# KiCad board module.kicad_pcb (continued)
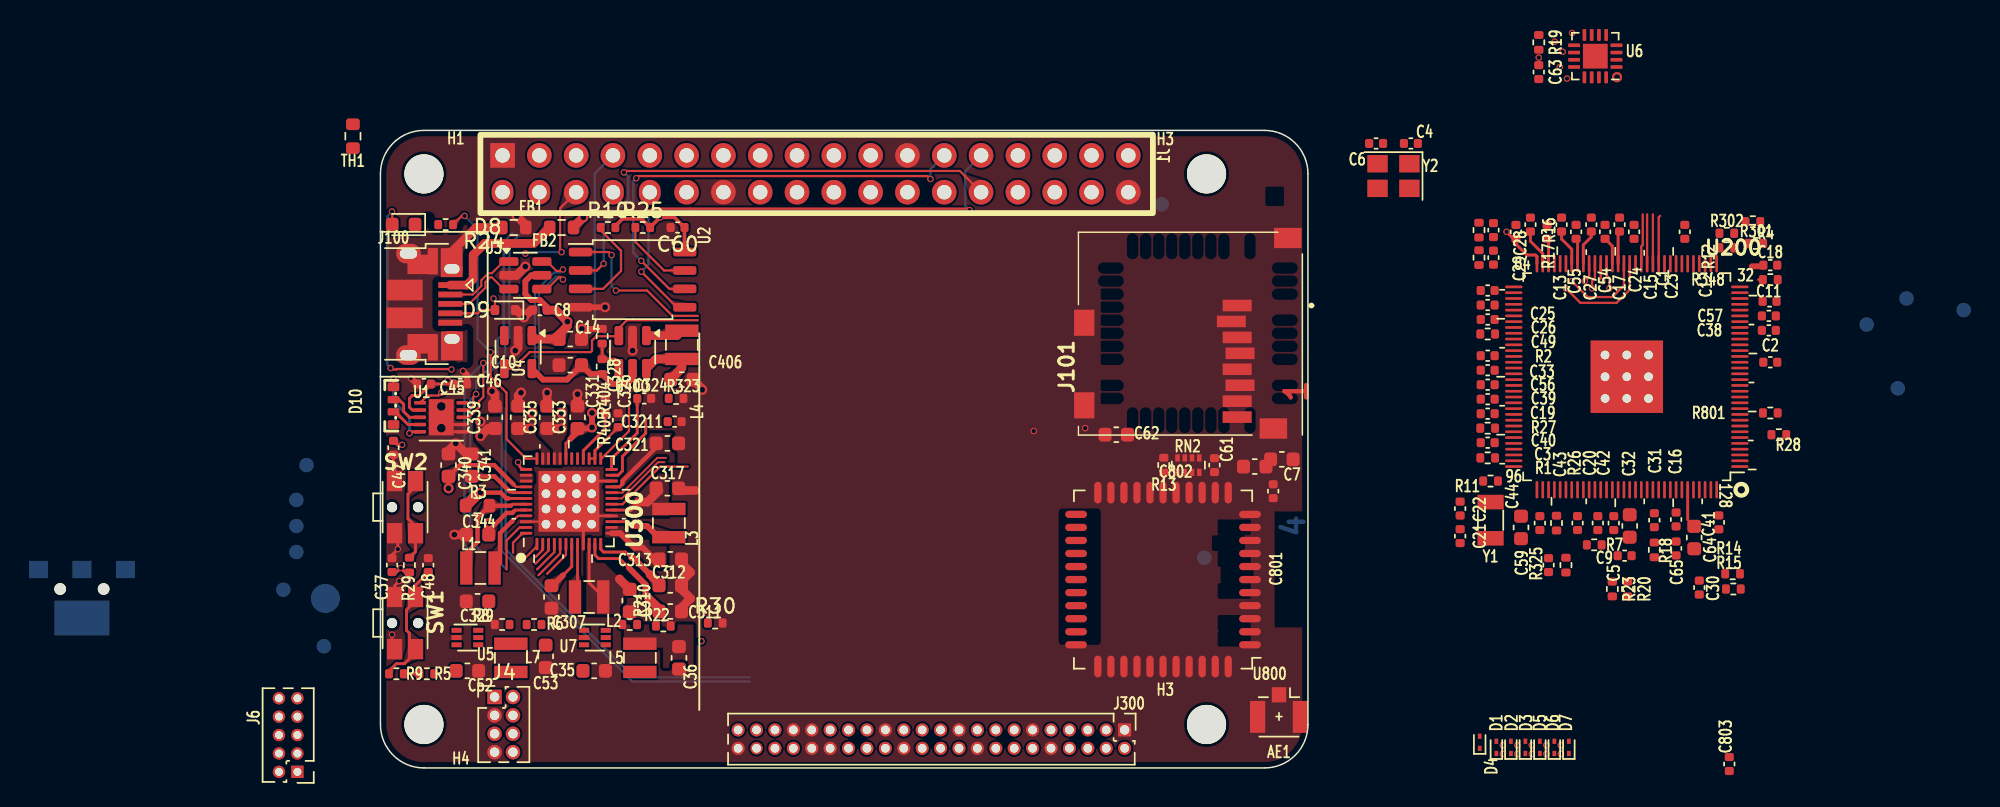
[diagram p0: board, top side]
## Footprints (pads in the part's own frame, mm; a bottom-side part is the same pattern mirrored in y, then rotated) (continued)
  rect 3.65x3.65 smd far side: 49(0,0)
  rect 4.2x4.2 smd: 49(0,0)
QFP-128_14x14_Pitch0.4mm
  oval 1.2x0.18 smd: 1(-7.8,6.2) 2(-7.8,5.8) 3(-7.8,5.4) 4(-7.8,5) 5(-7.8,4.6) 6(-7.8,4.2) 7(-7.8,3.8) 8(-7.8,3.4) 9(-7.8,3) 10(-7.8,2.6) 11(-7.8,2.2) 12(-7.8,1.8) 13(-7.8,1.4) 14(-7.8,1) 15(-7.8,0.6) 16(-7.8,0.2) 17(-7.8,-0.2) 18(-7.8,-0.6) 19(-7.8,-1) 20(-7.8,-1.4) 21(-7.8,-1.8) 22(-7.8,-2.2) 23(-7.8,-2.6) 24(-7.8,-3) 25(-7.8,-3.4) 26(-7.8,-3.8) 27(-7.8,-4.2) 28(-7.8,-4.6) 29(-7.8,-5) 30(-7.8,-5.4) 31(-7.8,-5.8) 32(-7.8,-6.2) 65(7.8,-6.2) 66(7.8,-5.8) 67(7.8,-5.4) 68(7.8,-5) 69(7.8,-4.6) 70(7.8,-4.2) 71(7.8,-3.8) 72(7.8,-3.4) 73(7.8,-3) 74(7.8,-2.6) 75(7.8,-2.2) 76(7.8,-1.8) 77(7.8,-1.4) 78(7.8,-1) 79(7.8,-0.6) 80(7.8,-0.2) 81(7.8,0.2) 82(7.8,0.6) 83(7.8,1) 84(7.8,1.4) 85(7.8,1.8) 86(7.8,2.2) 87(7.8,2.6) 88(7.8,3) 89(7.8,3.4) 90(7.8,3.8) 91(7.8,4.2) 92(7.8,4.6) 93(7.8,5) 94(7.8,5.4) 95(7.8,5.8) 96(7.8,6.2)
  oval 0.18x1.2 smd: 33(-6.2,-7.8) 34(-5.8,-7.8) 35(-5.4,-7.8) 36(-5,-7.8) 37(-4.6,-7.8) 38(-4.2,-7.8) 39(-3.8,-7.8) 40(-3.4,-7.8) 41(-3,-7.8) 42(-2.6,-7.8) 43(-2.2,-7.8) 44(-1.8,-7.8) 45(-1.4,-7.8) 46(-1,-7.8) 47(-0.6,-7.8) 48(-0.2,-7.8) 49(0.2,-7.8) 50(0.6,-7.8) 51(1,-7.8) 52(1.4,-7.8) 53(1.8,-7.8) 54(2.2,-7.8) 55(2.6,-7.8) 56(3,-7.8) 57(3.4,-7.8) 58(3.8,-7.8) 59(4.2,-7.8) 60(4.6,-7.8) 61(5,-7.8) 62(5.4,-7.8) 63(5.8,-7.8) 64(6.2,-7.8) 97(6.2,7.8) 98(5.8,7.8) 99(5.4,7.8) 100(5,7.8) 101(4.6,7.8) 102(4.2,7.8) 103(3.8,7.8) 104(3.4,7.8) 105(3,7.8) 106(2.6,7.8) 107(2.2,7.8) 108(1.8,7.8) 109(1.4,7.8) 110(1,7.8) 111(0.6,7.8) 112(0.2,7.8) 113(-0.2,7.8) 114(-0.6,7.8) 115(-1,7.8) 116(-1.4,7.8) 117(-1.8,7.8) 118(-2.2,7.8) 119(-2.6,7.8) 120(-3,7.8) 121(-3.4,7.8) 122(-3.8,7.8) 123(-4.2,7.8) 124(-4.6,7.8) 125(-5,7.8) 126(-5.4,7.8) 127(-5.8,7.8) 128(-6.2,7.8)
  round 1 hole 0.6: 129(-1.5,1.5) 129(-1.5,0) 129(-1.5,-1.5) 129(0,1.5) 129(0,0) 129(0,-1.5) 129(1.5,1.5) 129(1.5,0) 129(1.5,-1.5)
  rect 5x5 smd: 129(0,0)
R_0402_1005Metric
  rrect 0.54x0.64 smd: 1(-0.51,0) 2(0.51,0)
R_0603_1608Metric
  rrect 0.8x0.95 smd: 1(-0.825,0) 2(0.825,0)
R_Array_Concave_4x0402
  rect 0.5x0.32 smd: 1(-0.5,0.75) 2(-0.5,0.25) 3(-0.5,-0.25) 4(-0.5,-0.75) 5(0.5,-0.75) 6(0.5,-0.25) 7(0.5,0.25) 8(0.5,0.75)
rgb-1204
  rrect 0.5x0.8 smd: 1(0.42,-0.5) 2(-0.42,-0.5)
  rrect 0.6x0.8 smd: 3(1.3,-0.5) 4(-1.3,-0.5)
SOP-8_5.28x5.23mm_P1.27mm
  rrect 1.6x0.6 smd: 1(-3.6,1.905) 2(-3.6,0.635) 3(-3.6,-0.635) 4(-3.6,-1.905) 5(3.6,-1.905) 6(3.6,-0.635) 7(3.6,0.635) 8(3.6,1.905)
SOT-23-5
  rrect 1.325x0.6 smd: 1(-1.137,0.95) 2(-1.137,0) 3(-1.137,-0.95) 4(1.137,-0.95) 5(1.137,0.95)
SOT-23-6
  rrect 1.325x0.6 smd: 1(-1.137,0.95) 2(-1.137,0) 3(-1.137,-0.95) 4(1.137,-0.95) 5(1.137,0) 6(1.137,0.95)
SOT-563
  rect 0.7x0.34 smd: 1(-0.75,0.5) 2(-0.75,0) 3(-0.75,-0.5) 4(0.75,-0.5) 5(0.75,0) 6(0.75,0.5)
SW_SPST_EVQP7C
  round 0.7 hole 0.7 unplated: (0,0.9) (0,-0.9)
  rect 1.4x1.05 smd: 1(-1.8,0.72) 1(1.8,0.72) 2(-1.8,-0.72) 2(1.8,-0.72)
TestPoint_Pad_D1.0mm
  round 1 smd: 1(0,0)
TestPoint_Pad_D2.0mm
  round 2 smd: 1(0,0)
U.FL_Hirose_U.FL-R-SMT-1_Vertical
  rect 1.05x1 smd: 1(-1.05,0)
  rect 2.2x1.05 smd: 2(0.475,1.475) 2(0.475,-1.475)
USB_Micro-B_Amphenol_10103594-0001LF_Horizontal
  rect 0.4x1.65 smd: 1(-1.325,1.765) 2(-0.675,1.765) 3(-0.025,1.765) 4(0.625,1.765) 5(1.275,1.765)
  oval 1.35x1.7 hole 0.7x1.2: 6(-3.5,-1.115) 6(3.5,-1.115)
  rect 1.825x0.7 smd: 6(-2.975,0.565) 6(2.975,0.565)
  rect 2x1.5 smd: 6(-2.875,1.865) 6(2.875,1.885)
  rect 1.35x2 smd: 6(-2.755,-0.185) 6(2.725,-0.185)
  oval 1.1x1.5 hole 0.65x1.05: 6(-2.445,1.885) 6(2.395,1.885)
  rect 1.43x2.5 smd: 6(-0.985,-1.385) 6(0.935,-1.385)

## Nets
+1V2: C13.1 C38.1 C39.1 C40.1 C41.1 C42.1 C54.1 C317.1 L3.2 TP13.1 U200.19 U200.58 U200.64 U200.80 U200.88 U200.108 U200.126 U300.17
+1V8: C25.1 C26.1 C27.1 C28.1 C36.1 C56.1 L5.2 R16.2 R21.1 U7.6 U200.59 U200.60 U200.61 U200.62 U200.65 U200.66 U200.67 U200.68 U200.69 U200.70 U200.72 U200.79
+3V0: C32.1 C33.1 C312.1 R5.2 TP3.1 U200.76 U200.115 U300.12
+3V3: C1.1 C2.1 C3.1 C5.1 C7.1 C16.1 C17.1 C18.1 C19.1 C20.1 C45.1 C46.1 C47.1 C53.1 C60.1 C61.1 C62.1 C63.1 C801.1 C802.1 C803.1 D4.2 D10.4 J1.2 J101.P4 J300.43 L7.2 R6.1 R10.2 R13.2 R14.2 R15.2 R19.2 R25.2 R26.2 R27.2 R28.2 R301.1 R302.1 RN2.1 RN2.2 RN2.3 RN2.4 TP8.1 U1.2 U2.8 U5.6 U6.14 U6.15 U200.12 U200.29 U200.50 U200.57 U200.85 U200.93 U200.104 U200.109 U200.122 U200.127 U800.9 U800.22
+3V3_LDO: C311.1 J300.8 TP9.1 U300.11
+3V3_RTC: C43.1 C328.1 R325.1 R348.1 TP12.1 U200.98 U300.28
+5V_USB: C8.1 C14.1 C331.1 FB2.2 U3.5 U4.1 U300.31
/power/+5V_OTG: C10.1 R405.1 U4.5 U400.5
/power/vint: C326.1 U300.26 U300.27
GND: AE1.2 C1.2 C2.2 C3.2 C4.2 C5.2 C6.2 C7.2 C8.2 C9.2 C10.2 C11.2 C12.2 C13.2 C14.2 C15.2 C16.2 C17.2 C18.2 C19.2 C20.2 C21.2 C22.2 C23.2 C24.2 C25.2 C26.2 C27.2 C29.2 C30.2 C31.2 C32.2 C33.2 C35.2 C36.2 C37.2 C38.2 C39.2 C40.2 C41.2 C42.2 C43.2 C44.2 C45.2 C46.2 C47.2 C48.2 C49.2 C52.2 C53.2 C54.2 C55.2 C56.2 C57.2 C59.2 C60.2 C61.2 C62.2 C63.2 C64.2 C65.2 C307.2 C310.2 C311.2 C312.2 C313.2 C317.2 C321.2 C324.2 C326.2 C328.2 C329.2 C331.2 C333.2 C335.2 C339.2 C340.2 C341.2 C344.2 C406.2 C801.2 C802.2 C803.2 C3211.2 D1.1 D2.1 D3.1 D4.1 D5.1 D6.1 D7.1 D9.1 FB1.2 J1.1 J1.14 J1.23 J1.36 J4.3 J4.7 J6.1 J6.10 J100.5 J101.G1 J101.G2 J101.P6 J300.1 J300.10 J300.11 J300.18 J300.19 J300.26 J300.27 J300.34 J300.35 J300.36 J300.37 J300.44 R1.2 R2.2 R4.1 R8.2 R12.2 R17.1 R18.1 R20.2 R22.2 R23.2 R30.2 R323.2 R404.2 SW1.2 SW2.2 TH1.2 TP7.1 U1.6 U1.7 U1.11 U2.4 U3.2 U4.2 U5.2 U6.6 U6.16 U7.2 U200.116 U200.129 U300.9 U300.16 U300.22 U300.46 U300.49 U400.2 U800.1 U800.3 U800.20 U800.31 U800.33 U800.36 U800.41
VBAT: C339.1 J1.4 R3.2 U300.38 U300.39 U300.42
VDD_CPU: C11.1 C12.1 C15.1 C23.1 C24.1 C57.1 C310.1 L2.2 TP2.1 U200.20 U200.21 U200.25 U200.26 U200.38 U200.47 U200.51 U200.56 U300.10
/cpu/hpcom: J6.2 U200.125
/cpu/hpcomfb: C30.1 R20.1 U200.124
/cpu/hpoutl: J6.4 U200.121
/cpu/hpoutr: J6.3 U200.120
/cpu/hse-in: C6.1 U200.75 Y2.3
/cpu/hse-out: C4.1 U200.74 Y2.1
/cpu/lse-in: C22.1 R11.1 U200.96 Y1.2
/cpu/lse-out: C21.1 R11.2 U200.95 Y1.1
/cpu/mic_bias: J6.9 U200.119
/cpu/micin+: J6.8 U200.113
/cpu/micin-: R23.1 U200.114
/cpu/svref: C28.2 C29.1 C49.1 C55.1 R16.1 R17.2 U200.63 U200.71
/cpu/Vhp_bp: C64.1 C65.1 U200.123
/cpu/vra1: C9.1 U200.117
/cpu/vra2: C31.1 R18.2 U200.118
/io/uart0: TP5.1
/io/usb+: J100.3 U3.3
/io/usb-: J100.2 U3.1
/io/usb_gnd: FB1.1 J100.6
/power/lx1: C329.1 L1.2 R3.1 U300.43
ACIN: C333.1 J1.3 U300.32 U300.33
AP_WAKE_BT: U6.4 U800.6
BAT_GND: J1.5
BAT_NTC: J1.6 TH1.1 U300.37
BT_DISABLE: R15.1 U6.3 U800.34
BT_WAKE_AP: U6.8 U800.7
CAN-RX: J1.30
CAN-TX: J1.29
EPHY-LINK: J4.5 U200.77
EPHY-RX+: J4.8 U200.90
EPHY-RX-: J4.6 U200.89
EPHY-SPD: J4.1 U200.78
EPHY-TX+: J4.4 U200.92
EPHY-TX-: J4.2 U200.91
GPIO1: J1.13 U6.9
GPIO2: J1.20 U6.10
GPIO3: J1.19 U6.2
GPIO4: J1.24 U300.3
GPIO_INT: R19.1 U6.11 U200.42
GPIOA1: J1.31 U300.19
GPIOA2: J1.32 U300.18
GPIOA3: J1.33
GPIOA4: J1.34
GPIOA5: J1.35
I2C-SCL: J1.17 J300.6 R302.2 U1.8 U6.12 U200.45 U300.2
I2C-SDA: J1.18 J300.7 R301.2 U1.9 U6.13 U200.46 U300.1
IPS: C35.1 C52.1 C307.1 C313.1 C321.1 C335.1 C340.1 C344.1 C406.1 C3211.1 D8.2 L4.2 TP1.1 U5.3 U7.3 U300.7 U300.13 U300.14 U300.21 U300.34 U300.35 U300.40 U300.44 U400.6
LCD-CLK: J300.39 U200.37
LCD-D2: J300.33 U200.33
LCD-D3: J300.32 U200.32
LCD-D4: J300.31 U200.31
LCD-D5: J300.30 U200.30
LCD-D6: J300.29 U200.28
LCD-D7: J300.28 U200.27
LCD-D10: J300.25 U200.24
LCD-D11: J300.24 U200.23
LCD-D12: J300.23 U200.22
LCD-D13: J300.22 U200.18
LCD-D14: J300.21 U200.17
LCD-D15: J300.20 U200.16
LCD-D18: J300.17 U200.15
LCD-D19: J300.16 U200.14
LCD-D20: J300.15 U200.13
LCD-D21: J300.14 U200.11
LCD-D22: J300.13 U200.7
LCD-D23: J300.12 U200.6
LCD-DE: J300.38 U200.36
LCD-HSYNC: J300.40 U200.35
LCD-VSYNC: J300.41 U200.34
LCD_BL: J300.42 U200.43
LCD_RESET: J300.9
LDO3: C341.1 U300.41
NMI: R348.2 U200.41 U300.48
PMU-VBUSEN: R12.1 TP11.1 U4.4 U200.44 U300.6 U400.3
PMU_EN: R30.1 TP10.1 U1.1 U5.5 U7.5 U300.20
PON: C37.1 R29.2 U300.47
SDC0-CLK: D5.2 J101.P5 R7.1
SDC0-CMD: D3.2 J101.P3 R26.1 U200.103
SDC0-D0: D6.2 J101.P7 U200.106
SDC0-D1: D7.2 J101.P8 U200.107
SDC0-D2: D1.2 J101.P1 U200.101
SDC0-D3: D2.2 J101.P2 TP6.1 U200.102
SDC0-DET: J101.CD1 J101.CD2 R27.1 U200.100
SDC1-CLK: R801.1 U200.5
SDC1-CMD: RN2.6 U200.4 U800.16
SDC1-D0: RN2.7 U200.3 U800.18
SDC1-D1: RN2.8 U200.2 U800.19
SDC1-D2: R13.1 U200.1 U800.14
SDC1-D3: RN2.5 U200.128 U800.15
SPI-CLK: J1.25 U2.6 U200.53
SPI-CS: U2.1 U200.54
SPI-CS2: J1.26 U300.5
SPI-MISO: J1.28 U2.2 U200.52
SPI-MOSI: J1.27 U2.5 U200.55
TOUCH-XL: J300.5
TOUCH-XR: J300.3
TOUCH-YD: J300.2
TOUCH-YU: J300.4
UART0-RX: J1.12 U200.49
UART0-TX: J1.11 U200.48
UART1-RX: U200.8 U800.42
UART1-TX: U200.9 U800.43
UART2-RX: J1.22 U200.40
UART2-TX: J1.21 U200.39
USB-D+: U3.4 U200.111
USB-D-: U3.6 U200.110
USB-ID: D9.2 J100.4 R28.1 U200.10
USR-BTN: R5.1 R9.2 U200.112
WL_HOST_WAKE: U6.5 U800.13
WL_REG_ON: R14.1 U6.7 U800.12
~{RST}: C59.1 J1.7 R325.2 TP4.1 U6.1 U200.99 U300.25
Net-(AE1-A): AE1.1 U800.2
Net-(C48-Pad1): C48.1 R9.1 SW1.1
Net-(D8-K): D8.1 R24.1
Net-(D10-BK): D10.3 U1.5
Net-(D10-GK): D10.2 U1.4
Net-(D10-RK): D10.1 U1.3
Net-(J100-VBUS): FB2.1 J100.1
Net-(R29-Pad1): R29.1 SW2.1
Net-(U2-~{HOLD}/SIO3): R25.1 U2.7
Net-(U2-~{WP}/SIO2): R10.1 U2.3
Net-(U5-FB): R6.2 R8.1 U5.1
Net-(U5-SW): L7.1 U5.4
Net-(U7-FB): R21.2 R22.1 U7.1
Net-(U7-SW): L5.1 U7.4
Net-(U200A-RTC-VIO): C44.1 U200.97
Net-(U200A-SZQ): R2.1 U200.73
Net-(U200F-PF2): R7.2 U200.105
Net-(U200I-EPHY-RTX): R1.1 U200.94
Net-(U300-BIAS): R323.1 U300.23
Net-(U300-CHGLED): R24.2 U300.36
Net-(U300-LX1): L1.1 U300.45
Net-(U300-LX2): L2.1 U300.8
Net-(U300-LX3): L3.1 U300.15
Net-(U300-VREF): C324.1 U300.24
Net-(U300-~{OE}): R4.2 U300.4
Net-(U400-SW): L4.1 U400.1
Net-(U400-VFB): R404.1 R405.2 U400.4
Net-(U800-SDIO_CLK): R801.2 U800.17

Pads without a net: J1 8 9 10 15 16; J2 1 2 3 SH; J6 5 6 7; U1 10; U4 3; U6 17; U200 81 82 83 84 86 87; U300 29 30; U800 4 5 8 10 11 21 23 24 25 26 27 28 29 30 32 35 37 38 39 40 44; Y2 2 4

## Via types
v1: diameter 0.45, hole 0.3, Top to Bottom, 64 vias
v2: diameter 0.9, hole 0.6, Top to Bottom, 2 vias
v3: diameter 0.7, hole 0.4, Top to Bottom, 28 vias

## Routing (per net, layer and track width the routed paths; a pad name or vN(x,y) marks a point on that pad's centre or on a via; arc(x,y) is an arc through that point)
+1V2: length 9.9
  Top w0.2: U200.64 79.8,35.3 79.7,35.4 79.1,35.4 78.35,36.15 C13.1 78.18,36.52 v1(77.7,37) ; 17.25,17.8 U300.17 ; U200.58 82.2,35.8 81.5,36.5 C54.1
  Top w0.3: 17.8,18.35 17.25,17.8
  Top w0.6: 17.8,18.35 18.42,18.35 19.22,19.15
+1V8: length 1.8
  Top w0.2: C27.1 80.6,36.42 U200.62
+3V0: length 5.5
  Top w0.2: 17.3,14.5 16.9,14.9 15.4,14.9 15.2,15.1 U300.12
  Top w0.4: 17.3,14.5 17.45,14.5 18.6,13.35
  Top w0.6: 18.6,13.35 19.22,12.72 C312.1
+3V3: length 25.2
  Top w0.2: v1(4.65,26.75) 4.77,26.75 C46.1 C45.1 2.68,25.7 2.2,25.7 2,25.5 2,24.9 2.2,24.7 U1.2 ; C1.1 85.4,36.92 U200.50 ; C17.1 82.6,36.42 U200.57 ; C47.1 1.18,22.3 v1(1.5,22.3)
  Top w0.25: R10.2 16.21,37.41 16.7,37.9 18.01,37.9 R25.2 18.61,37.31 v1(19.3,38) 20.28,38 C60.1 20.98,35.62 U2.8
  Top w0.4: 94.63,34.62 95.45,34.62
  In2.Cu w0.2: v1(1.5,22.3) 1.5,25.2 2.9,26.6 4.5,26.6 v1(4.65,26.75)
  vias: v1(79.93,49.02)
+3V3_LDO: length 7.2
  Top w0.2: U300.11 14.8,14.7 15.05,14.45 16.5,14.45 17.15,13.8
  Top w0.4: 17.15,13.8 18.3,12.65 18.3,11.9 18.5,11.7
  Top w0.6: 19.22,10.97 18.5,11.7
+3V3_RTC: length 3.8
  Top w0.2: C328.1 15.5,23.4 14,21.9 U300.28
+5V_USB: length 30.3
  Top w0.2: U300.31 12.8,22.4 13.1,22.7
  Top w0.4: U3.5 10.4,34 10,33.6 10,32.7 10.4,32.3 11,32.3 11.48,31.82 C8.1 ; 13.1,22.7 13.6,23.2 C331.1 14.53,23.42 v3(14.6,23.5) v3(14.6,24.5)
  Top w0.6: FB2.2 13.33,37.33 v3(14,38) ; U4.1 10.69,29.6 C14.1 12.33,29.92 12.9,30.5 v3(12.9,30.8) 12.1,31.6 C8.1
  In2.Cu w0.8: 14.6,23.7 14.6,26.2 12.9,27.9 v3(12.9,30.8) 14,31.9 v3(14,38)
/power/+5V_OTG: length 9
  Top w0.4: U4.5 11.21,26.8 12.88,26.8 C10.1 14.48,27.19 R405.1 15.99,26.5 17,26.5 17.4,26.9 U400.5
/power/vint: length 3.2
  Top w0.154: 15.6,22.7 16.4,23.5 C326.1 ; U300.27 U300.26
  Top w0.2: 15.6,22.7 14.8,21.9 U300.26
GND: length 40.3
  Top w0.154: U300.46 11.25,17 U300.49
  Top w0.2: C37.2 0.8,14.7 v1(1.2,15.1) 1.2,15.98 SW2.2 ; C47.2 0.9,21 v1(1,20.9) 1,19.82 SW2.2 ; U300.9 14,16.35 U300.49 ; U300.22 14.75,19.8 U300.49 ; v1(1.3,12.9) 0.98,12.58 SW1.2 ; U300.49 15.05,17.4 U300.16 ; U1.7 4.45,23.7 v2(4.2,23.45) 4.45,23.2 U1.6 ; v1(0.8,9.2) 0.8,8.38 SW1.2
  Top w0.4: v3(13.9,30.3) 15.29,30.3 ; C46.2 5.98,27.12 v1(5.7,27.4) ; U2.4 15.5,31.8 v3(15.5,31.8) ; C45.2 2.5,26.5 v1(2.1,26.9)
  Top w0.6: U400.2 v3(17.4,28.8) ; v3(9.3,28.8) 9.5,29 U4.2 ; C339.2 7.9,25.8 v3(7.7,26) ; C340.2 4.7,21.9 v3(5.2,22.4) 5.92,21.67 C341.2 ; 20.78,11.08 21.4,11.7 20.78,12.33 C312.2 20.78,12.88 21.4,13.5 20.78,14.12 C313.2 ; C8.2 10.4,31.6 v3(9.9,31.1) 9.4,31.6 D9.1 ; C335.2 9.5,25.7 v3(9.7,25.9) ; C406.2 22.2,26.17 v3(22.2,26.1) ; FB1.2 10.03,37.48 v3(9.4,38.1) ; C14.2 13.88,30.28 v3(13.9,30.3) ; U3.2 9.4,34 v3(10,34.6) ; 21.75,19.15 20.78,19.15 ; C333.2 v3(11.5,25.9) ; C344.2 v3(5.1,16.1) ; C331.2 v3(13.6,25.8)
  vias: v1(45.08,23.25) v1(48.63,23.45) v1(77.45,0.97) v1(78.45,0.97) v1(79.45,0.97) v1(80.45,0.97) v1(81.45,0.97) v2(4.2,24.95) v3(85.32,47.67)
VBAT: length 30.7
  Top w0.2: U300.42 8.85,18.6
  Top w0.3: R3.2 5.88,18.38 6.5,19 8.3,19 8.7,18.6 8.85,18.6
  Top w0.6: v3(6.9,22.9) 7.42,23.42 C339.1 ; R3.2 6,18.1 v3(6.9,19)
  In2.Cu w0.6: v3(6.9,22.9) v3(6.9,19)
  In2.Cu w0.8: 6.9,23.4 v3(6.9,22.9) v3(6.9,23.9) 8.7,25.7 8.7,27 8.4,27.3 8.4,30 8.9,30.5 8.9,35.8 10.97,37.87 J1.4
VDD_CPU: length 9.4
  Top w0.2: U300.10 14.4,12.78 L2.2 ; U200.56 83,36.1 83.55,36.65 C24.1 ; C15.1 85,36.02 U200.51
  Top w0.6: 16.5,13.05 16.5,13.03 C310.1
/cpu/svref: length 2.6
  Top w0.2: U200.63 80.2,35.5 79.35,36.35 C55.1
/cpu/Vhp_bp: length 2.4
  Top w0.2: 90.2,19.5 90.2,17.12
/io/uart0:
  vias: v1(80.45,1.57)
/io/usb+: length 5.4
  Top w0.14: U3.3 8.5,33.05 7.69,33.86 7.56,33.86 7.24,33.54 7.24,33.14 6.12,32.03 J100.3
/io/usb-: length 5.2
  Top w0.14: U3.1 8.5,34.95 7.69,34.14 7.44,34.14 6.96,33.66 6.96,33.26 6.38,32.67 J100.2
/io/usb_gnd: length 5.7
  Top w0.6: 5.22,35.17 4.92,34.88 ; FB1.1 6.6,37.3 4.94,35.64 J100.6
/power/lx1: length 7.8
  Top w0.2: U300.43 9.1,18.2 9,18.1
  Top w0.3: 9,18.1 R3.1 6.7,17.28 6.7,15.6 5.72,14.62 5.72,13.62
ACIN: length 21.2
  Top w0.4: C333.1 11.87,23.42
  Top w0.6: v3(12.5,23.42) C333.1
  In2.Cu w0.6: v3(12.5,23.42) v3(12.5,24.5) 12.5,26.3 11.8,27 11.8,36.4 12.2,36.8 12.2,41.04 J1.3
BAT_NTC: length 23.5
  Top w0.154: v1(9.5,21.1) 9.6,21 9.6,20.8 9.8,20.6 U300.37 ; v1(12.5,35.6) 12.4,35.7 12.4,38.63 J1.6
  In2.Cu w0.154: v1(10,35.5) 11,34.5 11,28.4 10.6,28 10.6,25.6 9.6,24.6 9.6,21.2 v1(9.5,21.1)
  Bottom w0.154: v1(12.5,35.6) 10.1,35.6 v1(10,35.5)
EPHY-SPD:
  vias: v1(77.45,1.57) v1(78.45,1.57)
GPIO1:
  vias: v1(81.03,50.12)
GPIO2:
  vias: v1(81.57,49.42)
GPIO4: length 1.7
  Top w0.154: U300.3 11.6,15 10.7,14.1
GPIOA1: length 4.7
  Top w0.127: 19.6,21.1 19.16,21.1 16.66,18.6 U300.19
GPIOA2: length 6.3
  Top w0.154: 21.2,20.8 19.3,20.8 16.7,18.2 U300.18
I2C-SCL: length 33
  Top w0.154: U1.8 6.1,24.2 6.8,24.9 6.8,25.3 7.1,25.6 v1(7.1,27.95) ; U200.45 87.4,38.2 ; 10.7,14.55 11.2,15.05 U300.2
  Bottom w0.154: 6.3,14.9 5.8,15.4 5.8,26.65 v1(7.1,27.95) 7.6,27.95 8.1,28.45 8.1,29.6 8.5,30 8.5,36.3 9.1,36.9
  vias: v1(81.38,48.38)
I2C-SDA: length 30.1
  Top w0.154: U1.9 6.1,24.7 6.4,25 6.4,25.6 v1(6.6,25.8) ; U200.46 87,36 87.1,36.1 87.1,38.2 ; 10.05,14.55 10.8,15.3 U300.1
  Bottom w0.154: 9.6,36.8 8.9,36.1 8.9,29.7 8.6,29.4 8.6,28.35 7.6,27.35 7.25,27.35 6.6,26.7 v1(6.6,25.8) 6.2,25.4 6.2,15.7 6.9,15
  vias: v1(81.88,47.58)
IPS: length 45.1
  Top w0.154: 9.2,19.55 9.35,19.4 U300.40 ; D8.2 0.81,38.39 v1(0.8,38.4) ; v1(4.9,27.5) 4.87,27.53 1.13,27.53 1.1,27.5 0.8,27.5 v1(0.7,27.6)
  Top w0.2: U300.44 9.3,17.8 9.2,17.7 ; U300.7 13.2,13.9 12.6,13.3 ; 16.7,19.6 16.5,19.4 U300.21
  Top w0.3: C321.1 19.03,22.12 16.7,19.8 16.7,19.6 ; C344.1 7.47,16.38 8.7,17.6 9.1,17.6 9.2,17.7 ; 9.2,19.55 7.85,20.9 5.47,20.9 C340.1 v3(4.7,19.3)
  Top w0.4: 12.6,13.3 11.88,12.58 ; U300.13 16.55,16.2 17.55,15.2 18.1,15.2 18.9,14.4 ; 10.2,23.43 10.08,23.42
  Top w0.6: U400.6 18.99,28.2 19,28.2 19.03,28.22 20.8,28.22 20.8,27.6 20.03,26.83 C406.1 ; v3(10.4,23.42) C335.1 ; C344.1 7.47,16.88 v3(7.5,16.9) ; 18.9,14.4 C313.1
  Bottom w0.154: v1(0.8,38.4) 0.48,38.08 0.48,27.82 v1(0.7,27.6)
  vias: v3(10.5,24.5)
LCD_BL: length 3.3
  Top w0.154: 88.3,38.1 88.2,38 U200.43
LDO3: length 4.2
  Top w0.2: U300.41 9.1,19 9,19.1
  Top w0.3: 9,19.1 8.9,19.1 7.88,20.12 C341.1
NMI: length 2.2
  Top w0.154: 9.15,14.85 9.15,15.55 9.8,16.2 U300.48
  Top w0.2: R348.2 95.1,33.7
PMU-VBUSEN: length 23.5
  Top w0.154: U300.6 12.8,14.7 11.5,13.4 ; U4.4 v1(9.36,27.56) ; v1(9.36,27.56) 9.45,27.65 ; v1(9.36,27.56) 9.7,27.9 9.7,28.1 10.3,28.7 14.5,28.7 14.6,28.8 14.6,29.5 14.9,29.8 16.41,29.8 U400.3 ; U200.44 87.8,38.2 ; 21.9,30.9 17,30.9 16.45,30.35 U400.3 ; U400.3 16.45,29.35
  Bottom w0.154: 7.76,14.64 8.7,13.7
PMU_EN: length 6.5
  Top w0.127: U300.20 16.7,19 19.1,21.4 19.7,21.4
  Top w0.154: v1(4.2,25.9) 4,25.7 3.24,25.7 U1.1
PON: length 5.2
  Top w0.154: U300.47 9.6,16.6 8.7,15.7 8.7,13.7
  Top w0.2: R29.2 1.71,13.49 v1(1.4,13.8) 1.12,13.52 C37.1
SDC0-CMD:
  vias: v1(79.45,1.57)
SDC0-D0:
  vias: v1(81.45,1.57)
SDC1-CLK: length 0
  Top w0.154: R801.1 95.39,24.51
SPI-CLK: length 33.5
  Top w0.154: v1(84.3,33.6) 84.2,33.7 U200.53 ; v1(37.95,40.65) 37.75,40.85 17.8,40.85 v1(17.65,40.7) ; U2.6 19.94,33.06 v1(18,35)
  Bottom w0.154: J1.25 37.95,41.32 v1(37.95,40.65) ; v1(17.65,40.7) 17.45,40.5 17.45,35.55 v1(18,35)
SPI-CS: length 13
  Top w0.154: v1(16.25,32.95) 18.4,32.95 20.15,31.2 21.9,31.2 ; U2.1 15.75,35.61 v1(15.95,35.4) ; U200.54 83.8,33.8 83.6,33.6 v1(83.6,33.1)
  Bottom w0.154: v1(16.25,32.95) 15.95,33.25 v1(15.95,35.4)
SPI-CS2: length 2.8
  Top w0.154: 10.9,13.3 12.4,14.8 U300.5
SPI-MISO: length 36
  Top w0.154: J1.28 39.98,41.2 16.9,41.2 v1(16.8,41.1) ; v1(84.8,33.1) 84.8,33.8 84.6,34 U200.52 ; U2.2 14.94,34.33 v1(15.4,34.8)
  Bottom w0.154: v1(15.4,34.8) 15.4,37.5 17.1,39.2 17.1,40.8 v1(16.8,41.1)
SPI-MOSI: length 36.3
  Top w0.154: U2.5 20.45,31.8 v1(18,34.25) ; v1(83.1,33.6) 83.4,33.9 U200.55 ; v1(18.5,38.35) 18.75,38.6 40.55,38.6 v1(40.65,38.5)
  Bottom w0.154: v1(40.65,38.5) 40.35,38.8 40.35,41.18 J1.27 ; v1(18,34.25) 18.5,34.75 v1(18.5,38.35)
UART0-RX: length 5.9
  Top w0.154: U200.49 85.8,33.3 85,32.5 83.3,32.5 v1(82.2,33.6)
UART0-TX: length 7
  Top w0.154: v1(81.8,33.1) 82.8,32.1 85.3,32.1 86.2,33 U200.48
USB-D+: length 56.8
  Top w0.14: v1(12.59,33.7) 12.44,33.86 12.31,33.86 11.5,33.05 U3.4
  Bottom w0.14: 8.64,15.1 17.49,6.25 ; 8.64,15.1 8.64,20.25 ; 8.64,15.1 8.64,24.83 ; 17.49,6.25 9.18,14.56 ; 17.49,6.25 25.49,6.25 ; v1(12.59,33.7) 12.39,33.91 12.1,33.91 10.94,32.75 10.94,27.13
USB-D-: length 57.9
  Top w0.14: v1(12.59,34.4) 12.49,34.3 12.15,34.3 11.5,34.95 U3.6
  Bottom w0.14: v1(12.59,34.4) 12.39,34.19 11.98,34.19 10.66,32.87 10.66,27.25 ; 17.37,5.97 25.49,5.97 ; 17.37,5.97 8.98,14.36 ; 17.37,5.97 8.36,14.98 ; 8.36,24.95 8.36,14.98 ; 8.36,14.98 8.36,20.25
USB-ID: length 4
  Top w0.154: J100.4 6.72,31.38 6.95,31.6 D9.2 7.9,32.3 v1(7.8,32.4)
USR-BTN: length 1.2
  Top w0.2: R9.2 1.9,6.5 v1(2.1,6.7) 2.3,6.5 R5.1
~{RST}: length 17.5
  Top w0.154: 17.15,24.9 17.15,23.25 15.25,21.35 U300.25
  Bottom w0.154: 15.5,30 14.8,30.7 14.8,41.03 J1.7
  vias: v1(22.15,8.75) v1(82.22,50.73)
Net-(C48-Pad1): length 9
  Top w0.2: R9.1 0.59,6.69 1.1,7.2 1.66,7.2 2.42,7.96 SW1.1 2,8.62 2,9.3 1.8,9.5 1.8,10.9 2.42,11.52 SW1.1 2.42,12.62 3.3,13.5 C48.1
Net-(D10-BK): length 5.6
  Top w0.2: U1.5 2.1,23.2 v1(2,23.1) ; v1(0.9,26.9) D10.3
  Bottom w0.2: v1(2,23.1) 2,24.2 0.9,25.3 v1(0.9,26.9)
Net-(D10-GK): length 2.2
  Top w0.2: U1.4 1.9,23.7 1.02,24.58 D10.2
Net-(D10-RK): length 2.6
  Top w0.2: U1.3 2,24.2 1.6,24.6 1.6,25.1 1.28,25.42 D10.1
Net-(J100-VBUS): length 9.5
  Top w0.6: FB2.1 10.58,36.2 7.2,36.2 6.4,35.4 6.4,33.76 5.97,33.33 J100.1
Net-(R29-Pad1): length 5.9
  Top w0.2: R29.1 2.42,14.93 SW2.1 2.42,16.68 1.9,17.2 1.9,18.9 2.42,19.42 SW2.1
Net-(U2-~{HOLD}/SIO3): length 5.2
  Top w0.154: R25.1 17.59,36.31 19.56,34.33 U2.7
Net-(U2-~{WP}/SIO2): length 6.9
  Top w0.154: U2.3 15.36,33.06 16.6,34.3 16.6,35.7 15.19,37.11 R10.1
Net-(U300-BIAS): length 5.1
  Top w0.2: U300.23 16.4,20.2 16.7,20.5 16.7,21.5 18.3,23.1 18.3,24.1
Net-(U300-CHGLED): length 20.3
  Top w0.154: U300.36 10.05,21.35 8.7,22.7 8.7,25.9 7.6,27 v1(7.6,28.7) ; R24.2 5.61,38.1 v1(5.8,38.1)
  Bottom w0.154: v1(5.8,38.1) 6.7,37.2 6.7,29.6 v1(7.6,28.7)
Net-(U300-LX1): length 4.9
  Top w0.154: U300.45 9.5,17.4 9.1,17
  Top w0.3: L1.1 7.9,13.8 8.25,14.15 8.25,16.2 9.05,17 9.1,17
Net-(U300-LX2): length 3.7
  Top w0.2: 13.42,11.8 13.6,11.97 U300.8
Net-(U300-LX3): length 4.4
  Top w0.2: U300.15 17.1,17 17.4,16.7
  Top w0.4: 17.4,16.7 18.4,16.7 19.17,15.92 19.9,15.92
Net-(U300-VREF): length 5.6
  Top w0.2: U300.24 15.95,21.35 17.72,23.12 C324.1
Net-(U300-~{OE}): length 2.2
  Top w0.154: U300.4 12,14.9 10.8,13.7
Net-(U400-SW): length 2.6
  Top w0.6: U400.1 20.46,29.84 L4.1
Net-(U400-VFB): length 2.7
  Top w0.2: U400.4 16.45,27.95 16.19,28.21 R405.2 R404.1

## Copper pours and planes (outline as drawn; the poured copper is in the pictures)
+1V2 on Top: 17.15,17.4 17.15,18.65 18.8,20.3 19.9,20.3 19.9,17.4
+1V2 on In2.Cu: 110,25 102,25 102,33 110,33
+1V8 on Top: 82,33.6 79.2,31.1 79.2,30.2 75.4,30.2 75.4,36.4 82,36.4
+1V8 on Top: 19.5,8.3 16.8,8.3 16.8,9.9 21.6,9.9 21.6,6.9 19.5,6.9
+3V3 on Top: 80.05,22.6 78.85,22.6 78.85,21.6 77.05,21.6 77.05,22.6 75.45,22.6 75.45,24.2 80.05,24.2
+3V3 on In2.Cu: 66,-2 -2,-2 -2,45 66,45
GND on Top, Bottom, In1.Cu: 65,-1 -1,-1 -1,45 65,45
VBAT on Top: 9.6,19.6 6.6,22.6 6.6,24.25 8.5,24.25 8.5,22 9.8,20.7 10.55,20.7 10.55,19.6
VDD_CPU on Top: 14.2,10.6 14.2,15.9 14.6,15.9 14.6,15 16.8,12.8 16.8,10.6
VDD_CPU on In2.Cu: 116,30 114.1,30 114.1,37 103.2,37 103.2,39 116,39
/io/usb_gnd on Top: 6,27 0,27 0,38 6,38
ACIN on Top: 11.9,20.9 11.9,22 10.9,23 10.9,24.9 12.9,24.9 12.9,20.9
IPS on Top: 18.6,20.5 17.3,19.2 15.5,19.2 15.5,20.8 16.4,20.8 18.5,22.8 18.5,23.1 20.3,23.1 20.3,20.5
IPS on Top: 10.7,20.9 10.7,21.9 9.5,21.9 8.8,22.6 8.8,24.9 10.8,24.9 10.8,22.8 11.7,21.9 11.7,20.9
IPS on Top: 18.6,13.8 16.5,15.9 15.5,15.9 15.5,16.7 16.75,16.7 17.7,15.75 19.75,15.75 19.75,13.8
IPS on In2.Cu: 22,6 4.3,6 4.3,32 22,32
SDC0-DET on Top: 47.2,33 49.7,33 49.7,24 47.2,24

Small or netless copper shapes (teardrops, artwork), in the pictures only: 111 on Top, 3 on Bottom, 2 on In2.Cu

## Text on the board
Bottom: 4
B.Silkscreen: link | speed | TX- | TX+ | RX- | RX+ | com | MISO | MOSI | outl | outr | min | vmic | +3V3 | ACIN | VBAT | BAT- | Bntc | TXD1 | RXD1 | PWR / BTN | Mfgr S.N.: WayWayWay | Board rev: v0.9.9 | USR / BTN | © VDRD 2022 | GND | ~{RST} | IO1 | SCL | SDA | IO3 | IO2 | IO4 | SCK | ~{SCS} | AN2 | AN1 | RGB LED | LCD Header | GLASNOST MK4
Top: 1
In1.Cu: 2
In2.Cu: 3
